# Allegro board poeicpt1_r1_2024_9_11_Afshari_Final.brd (continued)
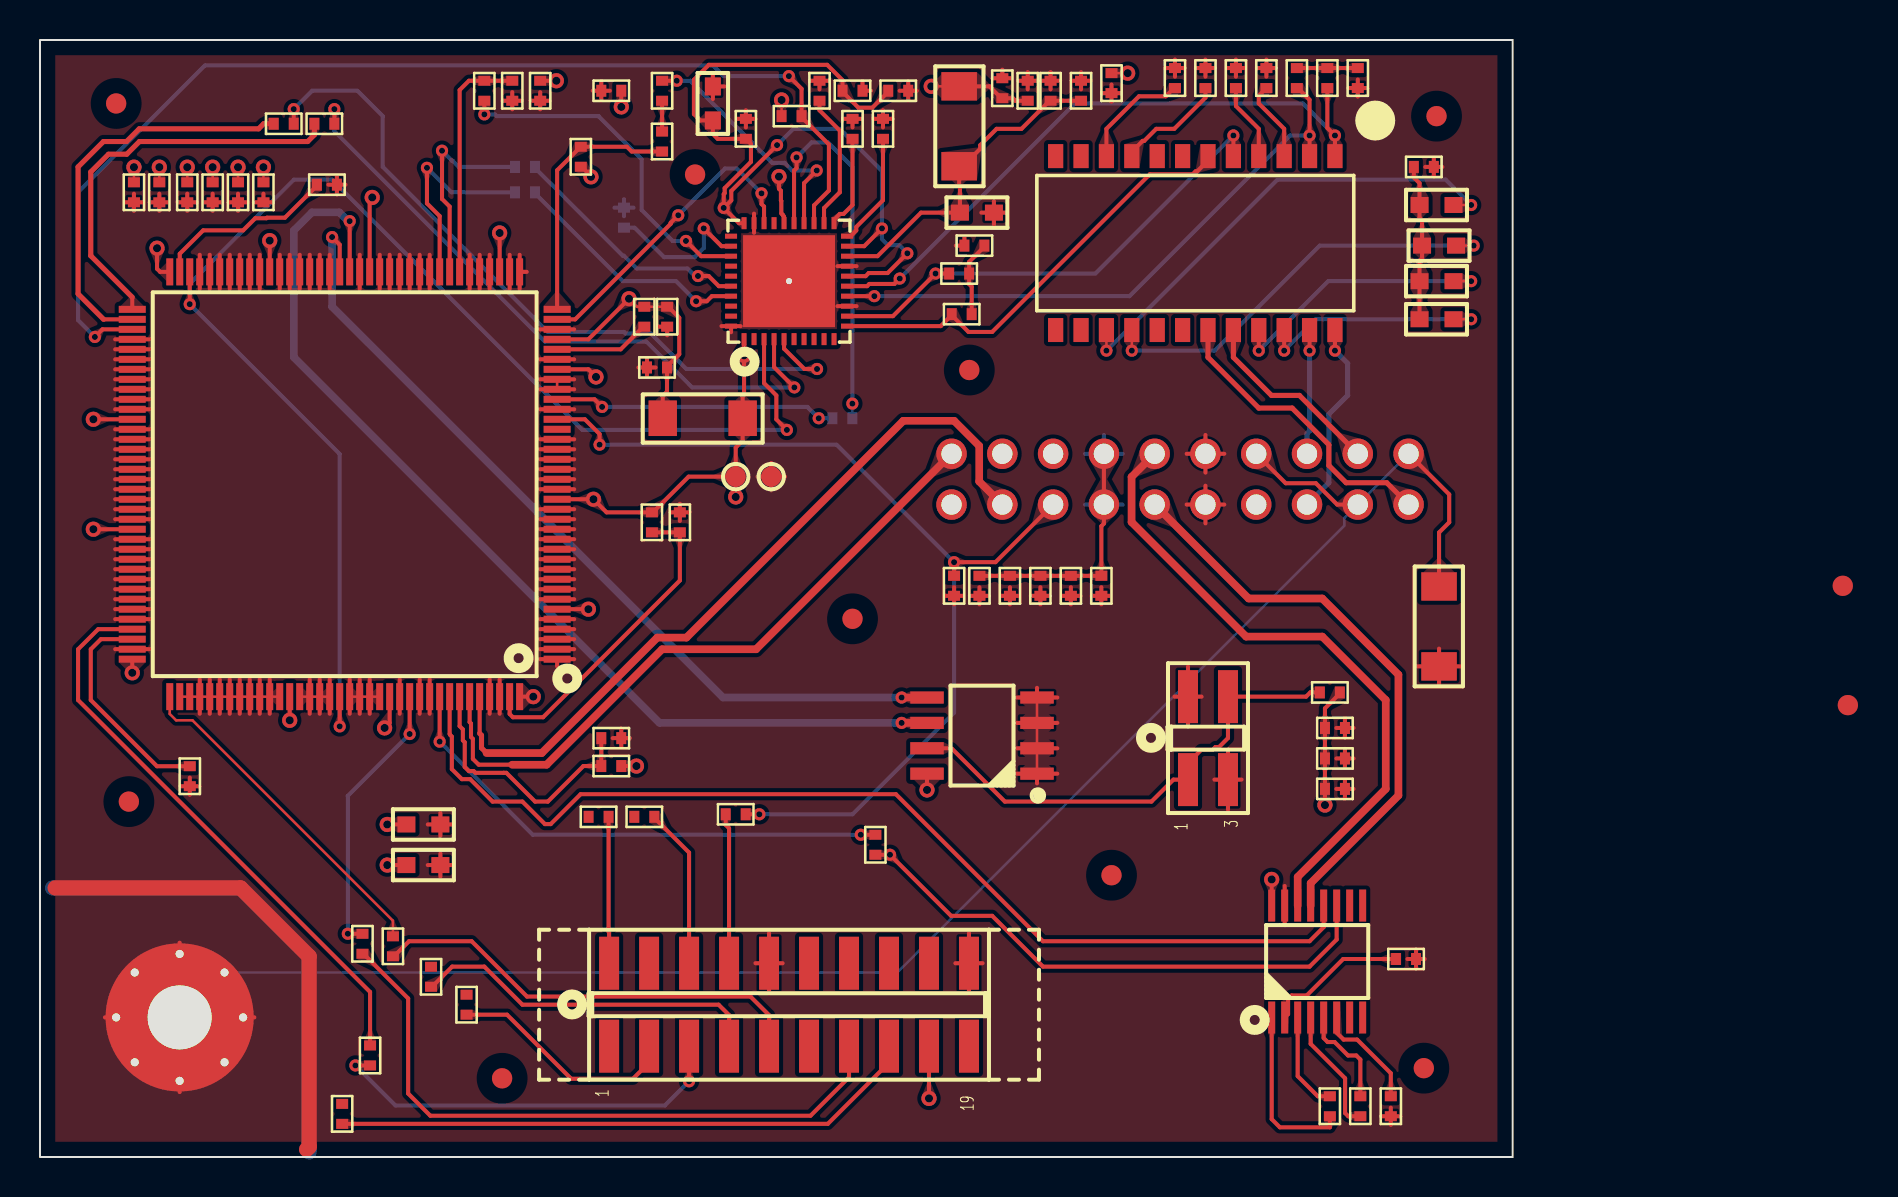
[diagram p0: board, top side]
## Nets (continued)
N51902: J3.9 R37.2
N51938: J3.15 R39.2
N52034: J3.6 R36.1
N52070: J3.2 R31.1
N52476: J3.7 R34.2
N53005: R26.1 U4.32
N53315: J3.13 R38.2
N58004: R19.1 U4.136
N58089: R22.1 R23.1 U4.138
N61081: J3.8 R35.1
N1419919: R12.1 U2.20

Pads without a net: CORNER_FID1 1; CORNER_FID2 1; CORNER_FID3 1; CORNER_FID4 1; CORNER_FID5 1; CORNER_FID6 1; FID3 1; FID5 1; FID7 1; FID10 1; FID11 1; J2 P2 P14; U2 2 6 7 8 9 10 27 31 34 35 38 39; U4 24; U5 7 8 11 12 13 14 17 18; U6 7 8 9 10

## Via types
v1: diameter 0.61, hole 0.305, TOP to BOTTOM, 58 vias
v2: diameter 0.762, hole 0.406, TOP to BOTTOM, 36 vias

## Routing (per net, layer and track width the routed paths; a pad name or vN(x,y) marks a point on that pad's centre or on a via; arc(x,y) is an arc through that point)
GND: length 311.5
  TOP w0.127: U4.127 U4.128 U4.129 U4.130 ; U1.1 U1.2 U1.4 ; U4.120 U4.119 U4.118 U4.117 U4.116 U4.115 U4.114 U4.113 U4.112 U4.111 U4.110 ; U4.29 U4.28 ; U4.122 U4.123 U4.124 U4.125
  TOP w0.203: C30.2 47.47,28.07 ; C30.2 46.99,27.65 ; C30.2 46.99,28.5 ; C30.2 46.51,28.07 ; 26.72,38.9 U4.29 25.01,38.9 ; 40.84,42.57 U2.13 39.89,42.57 ; B3.1 69.98,25.43 ; B3.1 71.04,24.54 ; B3.1 69.98,23.65 ; B3.1 68.91,24.54 ; 5.47,26.9 U4.104 3.76,26.9 ; 3.76,38.41 U4.81 5.47,38.41 ; 25.01,30.41 U4.12 26.72,30.41 ; 48.92,53.84 C44.2 ; C44.2 49.88,53.84 ; C44.2 49.4,54.27 ; C44.2 49.4,53.41 ; 14.49,43.43 U4.56 14.49,45.13 ; 10.49,22.18 U4.117 10.49,23.88 ; 7.99,43.43 U4.69 7.99,45.13 ; 23.62,52.41 R11.1 ; R11.1 23.62,53.27 ; R11.1 23.14,52.84 ; R11.1 24.1,52.84 ; 5.47,36.41 U4.85 3.76,36.41 ; 5.47,37.9 U4.82 3.76,37.9 ; 65.91,53.05 C10.1 ; C10.1 66.39,53.47 ; C10.1 65.91,53.9 ; C10.1 65.43,53.47 ; 25.01,33.41 U4.18 26.72,33.41 ; C1.2 25.5,52.84 ; C1.2 24.54,52.84 ; C1.2 25.02,53.27 ; C1.2 25.02,52.41 ; 26.72,28.9 U4.9 25.01,28.9 ; 17.99,45.13 U4.49 17.99,43.43 ; 5.47,34.41 U4.89 3.76,34.41 ; 53.12,53.22 C34.2 ; C34.2 53.59,53.65 ; C34.2 54.07,53.22 ; C34.2 53.59,52.79 ; 3.76,29.9 U4.98 5.47,29.9 ; 35.71,46.24 U2.29 35.71,47.19 ; 23.49,45.13 U4.38 23.49,43.43 ; 25.01,27.9 U4.7 26.72,27.9 ; 25.01,26.9 U4.5 26.72,26.9 ; R9.2 41.12,51.94 ; R9.2 40.16,51.94 ; R9.2 40.64,51.51 ; 58.29,35.18 58.29,36.12 ; 58.29,35.18 57.35,35.18 ; 58.29,35.18 59.23,35.18 ; 58.29,35.18 58.29,34.24 ; 5.47,30.9 U4.96 3.76,30.9 ; 11.99,43.43 U4.61 11.99,45.13 ; C32.2 50.04,28.5 ; C32.2 49.56,28.07 ; C32.2 50.04,27.65 ; C32.2 50.52,28.07 ; 25.01,34.41 U4.20 26.72,34.41 ; C9.2 47.71,47.82 ; C9.2 47.08,47.24 ; C9.2 48.34,47.24 ; C9.2 47.71,46.67 ; 16.49,23.88 U4.129 16.49,22.18 ; 5.47,32.41 U4.93 3.76,32.41 ; J1.2 58.1,23.03 ; J1.2 56.74,23.03 ; J1.2 57.42,21.53 ; J1.2 57.42,24.53 ; 5.47,33.9 U4.90 3.76,33.9 ; 5.47,33.41 U4.91 3.76,33.41 ; C5.2 20.03,17.22 ; C5.2 20.66,16.64 ; C5.2 19.4,16.64 ; C5.2 20.03,16.06 ; 25.01,24.9 U4.1 ; U4.1 25.87,24.55 ; U4.1 26.72,24.9 ; 48.04,28.07 C31.2 ; C31.2 48.99,28.07 ; C31.2 48.51,27.65 ; C31.2 48.51,28.5 ; 12.99,43.43 U4.59 12.99,45.13 ; R12.2 42.64,51.94 ; R12.2 42.16,52.36 ; R12.2 42.16,51.51 ; R12.2 41.69,51.94 ; 3.76,29.41 U4.99 5.47,29.41 ; 5.47,34.9 U4.88 3.76,34.9 ; 3.76,40.9 U4.76 5.47,40.9 ; 13.99,22.18 U4.124 13.99,23.88 ; 15.99,22.18 U4.128 15.99,23.88 ; 30.36,39.02 C23.2 ; C23.2 30.79,39.5 ; C23.2 30.36,39.98 ; C23.2 29.93,39.5 ; 5.47,39.41 U4.79 3.76,39.41 ; 64.84,19.94 C2.2 ; C2.2 65.7,19.94 ; C2.2 65.27,19.46 ; C2.2 65.27,20.42 ; 9.49,23.88 U4.115 9.49,22.18 ; R25.2 32,32.68 ; R25.2 32.48,32.25 ; R25.2 31.53,32.25 ; R25.2 32,31.82 ; C3.2 53.56,28.07 ; C3.2 53.09,27.65 ; C3.2 52.61,28.07 ; C3.2 53.09,28.5 ; 13.49,45.13 U4.58 13.49,43.43 ; 5.47,27.41 U4.103 3.76,27.41 ; 3.76,25.41 U4.107 5.47,25.41 ; J1.3 60.1,18.88 ; J1.3 58.74,18.88 ; J1.3 59.42,20.38 ; J1.3 59.42,17.38 ; 12.49,45.13 U4.60 12.49,43.43 ; 17.49,45.13 U4.50 17.49,43.43 ; 60.86,54.48 C35.2 ; C35.2 61.34,54.05 ; C35.2 61.82,54.48 ; C35.2 61.34,54.9 ; 22.49,43.43 U4.40 22.49,45.13 ; 7.99,23.88 U4.112 7.99,22.18 ; 3.76,40.41 U4.77 5.47,40.41 ; C25.2 10.38,47.76 ; C25.2 9.91,47.33 ; C25.2 9.91,48.19 ; C25.2 9.43,47.76 ; 3.76,32.9 U4.92 5.47,32.9 ; C28.2 7.84,47.76 ; C28.2 7.37,47.33 ; C28.2 7.37,48.19 ; C28.2 6.89,47.76 ; 46.46,8.19 J3.20 ; J3.20 47.14,9.69 ; J3.20 46.46,11.2 ; J3.20 45.79,9.69 ; C18.2 28.07,53.82 ; C18.2 28.07,52.86 ; C18.2 27.65,53.34 ; C18.2 28.5,53.34 ; 14.49,23.88 U4.125 14.49,22.18 ; 21.99,43.43 U4.41 21.99,45.13 ; 39.89,44.57 U2.17 40.84,44.57 ; 69.72,49.05 C39.2 ; C39.2 70.14,49.53 ; C39.2 69.29,49.53 ; C39.2 69.72,50.01 ; 5.47,35.41 U4.87 3.76,35.41 ; 67.09,2.04 C41.2 ; C41.2 67.56,1.61 ; C41.2 67.56,2.47 ; C41.2 68.04,2.04 ; 35.31,51.51 C15.2 ; C15.2 34.83,51.94 ; C15.2 35.78,51.94 ; C15.2 35.31,52.36 ; C17.2 65.7,21.46 ; C17.2 64.84,21.46 ; C17.2 65.27,20.98 ; C17.2 65.27,21.94 ; 3.76,35.9 U4.86 5.47,35.9 ; 8.49,45.13 U4.68 8.49,43.43 ; 21.49,43.43 U4.42 21.49,45.13 ; 18.99,22.18 U4.134 18.99,23.88 ; C19.2 65.7,18.41 ; C19.2 64.84,18.41 ; C19.2 65.27,18.89 ; C19.2 65.27,17.94 ; 15.99,45.13 U4.53 15.99,43.43 ; 16.99,43.43 U4.51 16.99,45.13 ; 18.49,43.43 U4.48 18.49,45.13 ; 10.49,43.43 U4.64 10.49,45.13 ; 5.47,28.41 U4.101 3.76,28.41 ; C38.2 57.25,54.48 ; C38.2 56.29,54.48 ; C38.2 56.77,54.9 ; C38.2 56.77,54.05 ; 22.99,23.88 U4.142 22.99,22.18 ; R23.2 29.5,20.95 ; R23.2 29.08,20.48 ; R23.2 28.65,20.95 ; R23.2 29.08,21.43 ; C36.2 59.82,54.9 ; C36.2 59.34,54.48 ; C36.2 59.82,54.05 ; C36.2 60.3,54.48 ; 25.01,30.9 U4.13 26.72,30.9 ; 13.99,45.13 U4.57 13.99,43.43 ; 51.59,53.84 C7.2 ; C7.2 52.07,54.27 ; C7.2 52.55,53.84 ; C7.2 52.07,53.41 ; 58.29,32.64 58.29,33.58 ; 58.29,32.64 58.29,31.7 ; 58.29,32.64 59.23,32.64 ; 58.29,32.64 57.35,32.64 ; 10.99,22.18 U4.118 10.99,23.88 ; 50.88,21.72 48.85,21.72 ; C24.2 9.11,47.76 ; C24.2 8.16,47.76 ; C24.2 8.64,47.33 ; C24.2 8.64,48.19 ; 26.72,25.41 U4.2 25.01,25.41 ; 43,53.34 C12.2 ; C12.2 43.43,53.82 ; C12.2 43.85,53.34 ; C12.2 43.43,52.86 ; 10.99,45.13 U4.63 10.99,43.43 ; C33.2 51.56,28.5 ; C33.2 51.56,27.65 ; C33.2 52.04,28.07 ; C33.2 51.08,28.07 ; 23.99,43.43 U4.37 ; U4.37 24.34,44.28 ; U4.37 23.99,45.13 ; J3.10 37.14,9.69 ; J3.10 36.47,8.19 ; J3.10 36.47,11.2 ; J3.10 35.79,9.69 ; 26.72,35.9 U4.23 25.01,35.9 ; 25.01,29.9 U4.11 26.72,29.9 ; 5.47,39.9 U4.78 3.76,39.9 ; 7.01,18.55 C21.2 ; C21.2 7.97,18.55 ; C21.2 7.49,18.98 ; C21.2 7.49,18.12 ; 10.7,47.76 C26.2 ; C26.2 11.65,47.76 ; C26.2 11.18,48.19 ; C8.2 50.55,54.27 ; C8.2 50.07,53.84 ; C8.2 50.55,53.41 ; C8.2 51.02,53.84 ; 3.76,30.41 U4.97 5.47,30.41 ; 11.49,23.88 U4.119 11.49,22.18 ; 49.87,18.69 U1.1 ; U1.1 48.85,19.18 ; U1.1 50.88,19.18 ; 34.09,41.57 U2.40 ; U2.40 35.04,41.57 ; U2.40 34.57,41.26 ; 26.72,39.9 U4.31 25.01,39.9 ; 5.47,28.9 U4.100 3.76,28.9 ; C37.2 58.77,54.48 ; C37.2 57.81,54.48 ; C37.2 58.29,54.9 ; C37.2 58.29,54.05 ; C27.2 5.18,47.76 ; C27.2 4.7,48.19 ; C27.2 4.7,47.33 ; C27.2 4.22,47.76 ; 41.57,53.34 C14.2 41.14,53.82 ; 26.72,34.9 U4.21 25.01,34.9 ; 8.49,22.18 U4.113 8.49,23.88 ; 33.66,52.93 C13.2 ; C13.2 34.23,53.55 ; C13.2 33.66,54.18 ; 30.89,41.54 C22.2 31.37,41.11 ; 26.72,35.41 U4.22 25.01,35.41 ; 35.89,34.04 TP2.1 ; TP2.1 36.58,34.72 ; TP2.1 37.26,34.04 ; TP2.1 36.58,33.35 ; 46.24,46.07 C11.1 45.81,45.59 ; 38.51,53.84 R8.2 ; R8.2 39.47,53.84 ; R8.2 38.99,53.41 ; 8.99,22.18 U4.114 8.99,23.88 ; 5.47,27.9 U4.102 3.76,27.9 ; 19.49,45.13 U4.46 19.49,43.43 ; 25.01,33.9 U4.19 26.72,33.9 ; 19.49,22.18 U4.135 19.49,23.88 ; 5.47,38.9 U4.80 3.76,38.9 ; 25.01,29.41 U4.10 26.72,29.41 ; C29.2 6.45,47.76 ; C29.2 5.97,48.19 ; C29.2 5.97,47.33 ; C29.2 5.49,47.76 ; 8.99,45.13 U4.67 8.99,43.43 ; 14.42,48.64 C20.2 ; C20.2 14.85,48.16 ; C20.2 14.85,49.12 ; C20.2 15.28,48.64 ; 9.99,23.88 U4.116 9.99,22.18 ; 45.72,27.65 C16.1 ; C16.1 45.24,28.07 ; C16.1 46.2,28.07 ; C16.1 45.72,28.5 ; 25.01,32.41 U4.16 26.72,32.41 ; 26.72,38.41 U4.28 25.01,38.41 ; 26.72,25.9 U4.3 25.01,25.9 ; 62.26,13.56 U6.15 62.26,11.6 ; 25.01,37.41 U4.26 26.72,37.41 ; 19.4,14.61 C6.2 ; C6.2 20.03,15.18 ; C6.2 20.66,14.61 ; C6.2 20.03,14.03 ; C40.2 68.83,10.38 ; C40.2 69.25,9.91 ; C40.2 68.83,9.43 ; C40.2 68.4,9.91 ; 5.47,37.41 U4.83 3.76,37.41 ; 9.99,45.13 U4.65 9.99,43.43 ; 26.72,31.9 U4.15 25.01,31.9 ; 48.85,22.99 U1.4 ; U1.4 50.88,22.99 ; U1.4 49.87,23.47 ; 25.01,26.41 U4.4 26.72,26.41 ; 47.65,53.97 C4.2 ; C4.2 48.61,53.97 ; C4.2 48.13,54.4 ; 9.49,45.13 U4.66 9.49,43.43 ; 13.49,23.88 U4.123 13.49,22.18 ; 22.49,22.18 U4.141 22.49,23.88 ; 48.85,20.45 U1.2 50.88,20.45 ; 17.99,23.88 U4.132 17.99,22.18 ; 18.99,45.13 U4.47 18.99,43.43 ; 25.01,28.41 U4.8 26.72,28.41 ; 26.72,41.41 U4.34 25.01,41.41 ; 25.01,31.41 U4.14 26.72,31.41 ; 15.49,23.88 U4.127 15.49,22.18 ; 5.47,31.9 U4.94 3.76,31.9
GND_EARTH: length 136
  TOP w0.203: SC1.8 10.72,6.99 ; SC1.8 9.6,6.99 ; SC1.8 10.16,6.43 ; SC1.8 10.16,7.54 ; SC1.5 4.74,5.3 ; SC1.5 4.18,4.74 ; SC1.5 5.3,4.74 ; SC1.5 4.74,4.18 ; 6.99,3.25 SC1.6 ; SC1.6 6.99,4.37 ; SC1.6 6.43,3.81 ; SC1.6 7.54,3.81 ; 6.43,10.16 SC1.2 ; SC1.2 7.54,10.16 ; SC1.2 6.99,10.72 ; SC1.2 6.99,9.6 ; SC1.7 9.23,5.3 ; SC1.7 8.67,4.74 ; SC1.7 9.79,4.74 ; SC1.7 9.23,4.18 ; SC1.9 9.23,9.79 ; SC1.9 9.23,8.67 ; SC1.9 8.67,9.23 ; SC1.9 9.79,9.23 ; 4.74,8.67 SC1.3 ; SC1.3 4.18,9.23 ; SC1.3 4.74,9.79 ; SC1.3 5.3,9.23 ; 3.25,6.99 SC1.4 ; SC1.4 4.37,6.99 ; SC1.4 3.81,7.54 ; SC1.4 3.81,6.43 ; B3.2 69.98,31.24 70.48,31.75 70.48,33.15 J2.P19 ; 60.83,35.18 62.31,33.71 63.81,33.71 64.88,32.64 65.91,32.64 ; SC1.1 9.08,6.99 ; SC1.1 4.89,6.99 ; SC1.1 6.99,4.89 ; SC1.1 6.99,9.08
  BOTTOM w0.127: J2.P19 65.24,31.97 65.24,31.58 42.89,9.23 SC1.9
  BOTTOM w0.203: 9.23,8.67 SC1.9 ; SC1.9 9.23,9.79 ; SC1.9 8.67,9.23 ; 6.99,9.6 SC1.2 ; SC1.2 7.54,10.16 ; SC1.2 6.99,10.72 ; SC1.2 6.43,10.16 ; 3.25,6.99 SC1.4 ; SC1.4 4.37,6.99 ; SC1.4 3.81,6.43 ; SC1.4 3.81,7.54 ; 9.6,6.99 SC1.8 ; SC1.8 10.16,7.54 ; SC1.8 10.16,6.43 ; SC1.8 10.72,6.99 ; SC1.7 9.23,5.3 ; SC1.7 8.67,4.74 ; SC1.7 9.79,4.74 ; SC1.7 9.23,4.18 ; SC1.3 5.3,9.23 ; SC1.3 4.74,9.79 ; SC1.3 4.18,9.23 ; SC1.3 4.74,8.67 ; SC1.5 4.74,5.3 ; SC1.5 4.74,4.18 ; SC1.5 4.18,4.74 ; SC1.5 5.3,4.74 ; 6.43,3.81 SC1.6 ; SC1.6 6.99,3.25 ; SC1.6 6.99,4.37 ; SC1.6 7.54,3.81 ; SC1.1 6.99,9.08 ; SC1.1 6.99,4.89 ; SC1.1 9.08,6.99 ; SC1.1 4.89,6.99
VCCA_3.3V_PHY: length 16.4
  TOP w0.203: U2.18 41.89,45.06 44.07,47.24 C9.1 46.01,48.58 45.97,48.62 B1.2 46.15,49.56 47.02,50.44 47.02,50.61 47.85,51.44 49.09,51.44 50.5,52.84 C8.1 C7.1
VCCD_3.3V: length 89.8
  TOP w0.127: C28.1 v2(7.37,49.52) ; R2.2 v2(37.09,52.88) ; C26.1 v2(11.18,49.52) ; C27.1 v2(4.7,49.52) ; C29.1 v2(5.97,49.52) ; v2(44.58,53.56) B1.1 ; 16.49,47.88 v2(16.62,48) ; C34.1 v2(54.4,54.22) ; C24.1 v2(8.64,49.52) ; C25.1 v2(9.91,49.52)
  TOP w0.203: U4.30 27.43,39.41 v2(27.81,39.02) ; v2(24.67,23.03) U4.144 ; v2(64.27,17.61) C19.1 C2.1 C17.1 64.27,22.44 65.02,23.19 R1.2 ; J2.P7 53.21,31.69 53.09,31.56 C3.1 C33.1 C32.1 C31.1 C30.1 ; U4.95 v2(2.67,31.41) ; U4.6 v2(27.43,27.41) ; v2(61.61,13.89) U6.16 ; v2(25.83,53.84) C1.1 ; U4.39 v2(22.99,46.22) ; U4.131 17.49,21.72 v2(17.24,21.47) ; U4.72 6.01,44.28 5.85,44.44 v2(5.85,45.46) ; U4.121 v2(12.49,21.85) ; U4.17 v2(27.68,32.9) 28.34,32.25 R24.2 30.66,32.25 32.44,34.04 TP1.1 ; v2(17.37,14.61) C6.1 ; TP1.1 34.8,35.49 35.15,35.84 B2.1 35.15,38.07 35.22,38.14 v2(35.22,40.11) U2.1 ; TP1.1 v2(34.8,33.02) ; R22.2 v2(29.83,19.56) ; U1.8 v2(44.37,18.36) ; U4.62 v2(11.49,45.84) ; C44.1 48.79,52.84 48.66,52.97 C4.1 48.08,52.97 47.49,53.56 B1.1 ; v2(27.56,49.03) 27.56,49.08 27.1,49.54 R17.2 ; U4.84 v2(2.67,36.9) ; v2(17.37,16.64) C5.1 ; U4.52 16.49,47.88 ; v2(44.46,2.93) J3.17 ; U2.26 37.22,47.03 37.18,47.09 37.14,47.12 37.14,47.14 37.08,47.21 37.08,47.83 37.06,47.85 37.06,48.34 36.96,48.44 v2(36.96,49.05) ; U4.108 v2(4.61,24.22) ; v2(29.08,52.53) C18.1
  BOTTOM w0.203: 52.27,32.64 53.21,32.64 ; 53.21,32.64 53.21,31.7 ; 53.21,32.64 54.15,32.64 ; 53.21,32.64 53.21,33.58 ; R10.2 29.21,47.92 ; R10.2 29.21,47.06 ; R10.2 29.69,47.49 ; R10.2 28.73,47.49 ; 53.21,34.24 J2.P7 ; J2.P7 52.27,35.18 ; J2.P7 53.21,36.12 ; J2.P7 54.15,35.18
VDDA_3.3V: length 12.7
  TOP w0.127: v2(29.46,42.94) 29.86,42.54 R26.2 C22.1
  TOP w0.203: B2.2 31.15,38.07 31.36,38.29 C23.1 31.36,39.55 31.97,40.16 31.97,41.98 31.42,42.54 C22.1 ; v2(29.46,42.94) 27.43,40.9 U4.33
BP_TDO_SWO: length 13.9
  TOP w0.203: U4.133 v1(18.49,21.16) ; R38.1 v1(15.4,11.17)
  BOTTOM w0.203: v1(18.49,21.16) 15.4,18.07 v1(15.4,11.17)
C45P: length 7.8
  TOP w0.203: C39.1 68.71,49 69,48.72 R30.1 69,47 69.13,46.87 R29.1 69.13,44.96 69,44.84 R28.1 R27.1
C51_N: length 5
  TOP w0.203: C42.2 63.91,3.04 62.91,4.05 U6.3
C51_P: length 8.7
  TOP w0.203: C42.1 64.52,1.49 62.02,1.49 61.61,1.89 U6.1
C52_N: length 5.1
  TOP w0.203: U6.5 64.21,5.95 64.4,5.75 64.75,5.75 65.42,5.08 65.84,5.08 66.04,4.88 C43.2
C52_P: length 6.3
  TOP w0.203: C43.1 65.44,2.04 65.28,2.2 65.28,3.94 63.56,5.66 U6.4
C53_P: length 7.2
  TOP w0.203: U6.2 62.43,7.15 62.43,7.91 62.6,8.08 63.36,8.08 65.18,9.91 C40.1
C54_P: length 5.5
  TOP w0.203: C41.1 67.56,4.19 65.88,5.87 65.2,5.87 64.86,6.22 U6.6
EEPROM_SCL: length 51.5
  TOP w0.203: U4.54 v1(15.49,46.82)
  TOP w0.381: 44.37,21.72 v1(43.1,21.72)
  BOTTOM w0.381: v1(15.49,46.82) 15.41,46.82 14.97,47.26 13.6,47.26 12.7,46.35 12.7,40.01 30.99,21.72 v1(43.1,21.72)
EEPROM_SDA: length 43.2
  TOP w0.203: v1(14.61,46.02) 14.99,45.64 U4.55
  TOP w0.381: U1.5 v1(43.1,22.99)
  BOTTOM w0.381: v1(14.61,46.02) 14.61,42.54 34.16,22.99 v1(43.1,22.99)
EEPROM_WP: length 24.7
  TOP w0.203: R1.1 63.54,23.24 63.33,23.03 J1.4 59.42,20.96 58.97,20.51 58.79,20.51 58.65,20.37 58.08,20.37 57.42,19.71 J1.1 56.69,18.88 55.59,17.78 48.26,17.78 45.59,20.45 U1.7
MCU_RESET: length 50
  TOP w0.203: C16.2 v1(45.72,29.76) 47.79,29.76 50.67,32.64 ; v1(27.99,35.63) 27.99,36.17 27.25,36.9 U4.25 ; R35.2 v1(35.98,17.14)
  BOTTOM w0.203: v1(35.98,17.14) 40.64,17.14 45.72,22.23 v1(45.72,29.76) 39.84,35.63 v1(27.99,35.63)
MCU_UART_RX: length 53.4
  TOP w0.203: U6.12 64.21,11.5 63.5,10.79 50.16,10.79 42.81,18.15 27.04,18.15 25.54,16.65 25.26,16.65 24.13,17.78 22.64,17.78 21.52,18.9 21.1,18.9 20.6,19.41 20.6,21.03 20.51,21.13 20.49,21.17 U4.137
MCU_UART_TX: length 27.7
  TOP w0.203: U6.11 64.86,10.88 63.5,9.53 50.16,9.53 47.62,12.06 45.57,12.06 v1(42.51,15.12) R19.2
MICRO_TCK_SWDCLK: length 17.1
  TOP w0.127: U4.109 6.49,22.16 6.81,21.85 7.63,21.85 17.65,11.82 R37.1
MICRO_TMS_SWDIO: length 29
  TOP w0.203: R33.1 16.51,8.26 1.91,22.86 1.91,25.4 2.91,26.41 U4.105
NPI_RD_N1: length 22.5
  TOP w0.203: 45.6,42.11 46.44,41.27 47.62,41.27 55.52,49.17 57.66,49.17 57.8,49.31 57.88,49.31 58.42,49.85 U5.6 ; 45.6,42.11 R7.1 ; 45.6,42.11 45.05,41.57 U2.11
NPI_RD_P1: length 24.8
  TOP w0.203: v1(59.69,51.1) U5.5 ; R6.1 v1(44.79,44.2) 42.66,42.06 U2.12
  BOTTOM w0.203: v1(59.69,51.1) 52.78,44.2 v1(44.79,44.2)
NPI_TD_N1: length 30.2
  TOP w0.203: R4.1 62.91,53.47 63.5,52.89 v1(63.5,51.1) U5.2 ; U2.14 v1(41.73,43.06)
  BOTTOM w0.203: v1(63.5,51.1) 62.53,51.1 54.49,43.06 v1(41.73,43.06)
NPI_TD_P1: length 32.4
  TOP w0.203: U2.15 41.37,43.57 41.48,43.67 42.73,43.67 v1(43,43.95) ; R5.1 64.39,51.48 v1(64.77,51.1) U5.1
  BOTTOM w0.203: v1(43,43.95) 51.76,52.7 63.17,52.7 v1(64.77,51.1)
NPI_TX_N1: length 6.2
  TOP w0.203: U5.23 v1(63.5,40.34)
  BOTTOM w0.254: v1(63.5,40.34) 63.5,36.32 63.37,36.2 63.37,35.18
NPI_TX_N2: length 15.1
  TOP w0.254: U5.19 58.42,40.01 60.96,37.47 62.63,37.47 64.47,35.63 64.47,34.59 65.33,33.73 67.36,33.73 68.45,32.64
NPI_TX_P1: length 9.8
  TOP w0.203: U5.24 v1(64.77,40.34)
  BOTTOM w0.254: v1(64.77,40.34) 65.41,39.7 65.41,38.1 64.47,37.16 64.47,33.73 63.37,32.64
NPI_TX_P2: length 9.6
  TOP w0.254: 65.91,35.18 62.99,38.1 61.59,38.1 59.69,40.01 U5.20
PDR_ON: length 16.1
  TOP w0.203: U4.143 23.49,22.16 23.65,22 25.16,22 32,28.84 R25.1 R24.1
PHY_MDC: length 19.5
  TOP w0.203: v1(37.84,50) 37.84,49.47 37.71,49.34 U2.25
  BOTTOM w0.127: R18.2 v1(40.63,37.69)
  BOTTOM w0.203: v1(40.63,37.69) 40.63,49.54 39.41,50.76 38.59,50.76 v1(37.84,50)
PHY_MDIO: length 1.5
  TOP w0.203: R16.2 R3.1
PHY_RESET_B: length 56.5
  TOP w0.203: v1(37.46,54.07) 38.09,53.44 R2.1 38.09,52.02 39.46,50.65 39.46,48.35 38.71,47.6 U2.23 ; v1(2.75,41.02) 3.13,41.41 U4.75
  BOTTOM w0.203: v1(2.75,41.02) 1.91,41.87 1.91,48.26 8.26,54.61 33.66,54.61 34.19,54.07 v1(37.46,54.07)
POE_I2C_SCL: length 33.7
  TOP w0.203: U4.139 21.49,21.76 21.56,21.69 21.56,21.01 21.65,20.92 21.65,19.92 21.94,19.63 23.62,19.63
  TOP w0.381: J2.P1 35.81,25.4 31.11,25.4 25.34,19.63 23.62,19.63
POE_I2C_SDA: length 38.4
  TOP w0.203: 21.99,21.19 U4.140
  TOP w0.254: 21.99,21.19 22.08,21.1 22.08,20.46 22.34,20.21
  TOP w0.381: 48.13,32.64 46.98,33.79 46.98,35.57 45.72,36.83 43.18,36.83 32.33,25.98 30.87,25.98 25.1,20.21 22.34,20.21
RMII_CRS_DV: length 11.9
  TOP w0.203: R11.2 R13.1 21.45,53.84 20.99,53.38 U4.43
RMII_REFCLK_50MHZ_PHY: length 15.4
  TOP w0.203: v1(31.92,47.11) 31.54,46.73 31.54,46.68 26.77,41.9 U4.35 ; U2.28 36.22,47.55 36.09,47.68 v1(36.09,48.21)
  BOTTOM w0.203: v1(36.09,48.21) 34.85,49.45 34.26,49.45 v1(31.92,47.11)
RS_UART_RX: length 32.4
  TOP w0.381: J2.P9 54.6,34.02 54.6,31.76 60.33,26.04 64.14,26.04 67.31,22.86 67.31,18.41 62.91,14.01 U6.14
RS_UART_TX: length 29.1
  TOP w0.381: U6.13 63.56,13.7 67.94,18.09 67.94,24.13 64.14,27.94 60.45,27.94 55.75,32.64
RXD0: length 10.2
  TOP w0.203: U4.44 20.49,47.55 20.11,47.93 v1(20.11,50.34)
  BOTTOM w0.203: R14.1 20.94,49.53 20.64,49.83 20.62,49.83 v1(20.11,50.34)
RXD1: length 10.4
  TOP w0.203: U4.45 19.99,47.07 19.36,47.71 v1(19.36,49.48)
  BOTTOM w0.203: R15.1 20.58,48.26 v1(19.36,49.48)
TDCT1: length 4.1
  TOP w0.203: C35.1 60.96,53.09 60.96,52.7 62.23,51.44 U5.3
TDCT2: length 3.9
  TOP w0.203: U5.4 60.96,51.44 59.82,52.58 C36.1
TDCT3: length 5.5
  TOP w0.203: C37.1 58.29,53 56.73,51.44 55.83,51.44 55.23,50.83 55.15,50.83 54.61,50.29 U5.9
TDCT4: length 5.6
  TOP w0.203: C38.1 56.72,53.47 56.31,53.06 54.97,53.06 53.34,51.44 U5.10
TX_EN: length 70.6
  TOP w0.203: U4.70 v1(7.49,42.67) ; U4.126 v1(14.99,21.54) ; v1(37.36,36.37) 36.83,36.9 36.83,38.1 36.22,38.72 U2.3
  BOTTOM w0.203: v1(14.99,21.54) 14.99,35.17 v1(7.49,42.67) 7.49,43.68 12.7,48.9 14.61,48.9 27.13,36.37 v1(37.36,36.37)
TXCT1: length 11.9
  TOP w0.127: R27.2 v1(71.58,41.91)
  TOP w0.203: U5.22 v1(62.23,40.34)
  BOTTOM w0.203: v1(71.58,41.91) 63.8,41.91 v1(62.23,40.34)
TXCT2: length 14
  TOP w0.127: R28.2 v1(71.58,43.81)
  TOP w0.203: U5.21 v1(60.96,40.34)
  BOTTOM w0.203: v1(71.58,43.81) 64.44,43.81 v1(60.96,40.34)
TXCT3: length 21.2
  TOP w0.127: R29.2 v1(71.71,45.59) ; U5.16 v1(54.61,40.34)
  BOTTOM w0.203: v1(71.71,45.59) 64.01,45.59 58.75,40.34 v1(54.61,40.34)
TXCT4: length 24.2
  TOP w0.127: U5.15 v1(53.34,40.34) ; R30.2 v1(71.58,47.62)
  BOTTOM w0.203: v1(53.34,40.34) 61.9,48.9 70.31,48.9 v1(71.58,47.62)
TXD0: length 33
  TOP w0.203: R20.2 v1(14.72,52.42) ; v1(37.73,38.5) 36.71,39.52 U2.4
  BOTTOM w0.203: v1(14.72,52.42) 14.72,51.32 25.25,40.79 30.33,40.79 32.62,38.5 v1(37.73,38.5)
TXD1: length 37.1
  TOP w0.203: U2.5 37.22,40.44 38.23,39.42 v1(38.87,39.42) ; R21.2 v1(12.69,52.42)
  BOTTOM w0.203: v1(12.69,52.42) 13.61,53.34 15.88,53.34 17.14,52.07 17.14,49.53 25.4,41.27 29.21,41.27 29.29,41.2 30.56,41.2 32.33,39.42 v1(38.87,39.42)
VCAP_1: length 9.2
  TOP w0.203: U4.71 6.99,45.18 8.16,46.35 10.16,46.35 10.77,46.96 11.33,46.96 11.36,46.99 12.25,46.99 13.85,48.59 C20.1
VCAP_2: length 11.1
  TOP w0.203: U4.106 3.04,25.9 2.54,25.4 2.54,22.86 5.85,19.55 C21.1
N15355: length 12.5
  TOP w0.203: v1(31.85,53.84) R3.2 ; v1(38.85,49.35) 38.22,48.72 U2.24
  BOTTOM w0.203: v1(31.85,53.84) 32.52,53.84 36.63,49.73 37.25,49.73 37.63,49.35 v1(38.85,49.35)
N15771: length 7.5
  TOP w0.203: v1(33.2,46.45) 34.09,45.57 U2.32
  BOTTOM w0.203: v1(33.2,46.45) 33.2,45.47 32.75,45.01 31.21,45.01 29.74,46.49 R10.1
N16088: length 12.3
  TOP w0.203: v1(32.91,44.07) 33.44,44.07 33.95,43.57 U2.36
  BOTTOM w0.203: v1(32.91,44.07) 32.76,44.07 32.38,44.45 29.84,44.45 29.21,45.09 29.15,45.09 24.76,49.48 R14.2
N16132: length 12.2
  TOP w0.203: v1(32.82,42.81) 33.35,42.81 33.6,43.06 U2.37
  BOTTOM w0.203: R15.2 24.76,48.21 29.15,43.81 31.81,43.81 v1(32.82,42.81)
N16768: length 17.4
  TOP w0.203: v1(32.31,45.83) 33.07,45.06 U2.33 ; R13.2 v1(22.23,52.16)
  BOTTOM w0.203: v1(32.31,45.83) 31.64,45.83 30.09,47.38 30.09,49.92 27.94,52.07 22.85,52.07 22.76,52.16 v1(22.23,52.16)
N17548: length 43.6
  TOP w0.203: C12.1 42.43,53.29 41.63,52.49 40.94,52.49 40.14,53.29 C14.1 40.14,53.87 39.37,54.64 33.46,54.64 32.71,53.89 32.71,52.17 33.03,51.86 C13.1 33.66,51.18 33.9,50.93 C15.1 35.56,50.68 35.56,49.78 34.25,48.47 34.25,48.22 34.2,48.17 v1(34.2,47.48) ; v1(43.38,45.21) 42.4,44.22 41.45,44.22 41.29,44.06 U2.16 ; v1(34.2,47.48) 34.96,46.71 U2.30 ; v1(34.2,47.48) 34.58,47.86 34.58,48.33 v1(36.87,50.62) ; U2.19 41.22,45.57 v1(42.11,46.45)
  BOTTOM w0.203: v1(43.38,45.21) 42.98,45.61 42.42,45.61 42.11,45.92 v1(42.11,46.45) 42.11,49.33 40.01,51.44 37.68,51.44 v1(36.87,50.62)
N27850: length 20.3
  TOP w0.203: U4.74 3.18,41.9
  TOP w0.254: 3.18,41.9 1.91,43.18 1.91,49.53 3.17,50.8 4.33,50.8 4.96,51.44 10.93,51.44 11.19,51.69 R21.1
N27854: length 20.2
  TOP w0.203: U4.73 4.61,43.01
  TOP w0.254: 4.61,43.01 2.54,45.09 2.54,49.28 3.43,50.16 4.34,50.16 4.98,50.8 13.39,50.8 13.72,51.14 R20.1
N38580: length 12.8
  TOP w0.203: U4.36 25.87,49.36 27.04,50.54 R17.1 29.36,50.54 29.6,50.3 R16.1
N39559: length 14.2
  TOP w0.203: v1(28.11,37.52) 27.73,37.9 U4.27
  BOTTOM w0.203: R18.1 v1(38.95,36.96) 38.38,37.52 v1(28.11,37.52)
N40877: length 3.8
  TOP w0.203: C11.2 47.24,45.54 46.47,44.78 R6.2 46.47,43.67 46.6,43.54 R7.2
N41615: length 3
  TOP w0.203: R4.2 R5.2 C10.2
N48379: length 4.7
  TOP w0.203: U2.21 39.71,46.89 40,47.18 40.19,47.18 40.64,47.62 R9.1
N48383: length 6.9
  TOP w0.203: U2.22 39.22,47.47 40.01,48.26 40.01,51.35 38.99,52.36 R8.1
N51866: length 11.6
  TOP w0.203: J3.3 30.47,4.72 29.66,3.92 26.56,3.92 23.36,7.12 R32.2
N51878: length 20.5
  TOP w0.203: R33.2 v1(15.78,4.58) ; J3.5 v1(32.47,3.79)
  BOTTOM w0.203: v1(15.78,4.58) 17.78,2.58 31.25,2.58 v1(32.47,3.79)
N51902: length 22.2
  TOP w0.203: J3.9 36.47,7.1 35.54,8.03 24.36,8.03 21.59,10.79 18.46,10.79 17.7,10.04 R37.2
N51938: length 29.4
  TOP w0.203: R39.2 39.4,1.66 42.46,4.72 J3.15
N52034: length 8
  TOP w0.203: J3.6 32.47,15.23 30.73,16.97 R36.1
N52070: length 7.3
  TOP w0.203: R31.1 28.44,11.27 28.47,11.25 J3.2
N52476: length 17.9
  TOP w0.203: J3.7 34.47,7.1 33.94,7.62 24.13,7.62 22.23,9.53 20.62,9.53 19.61,8.52 R34.2
N53005: length 4.8
  TOP w0.203: R26.1 30.18,41.54 29.04,40.41 U4.32
N53315: length 32.8
  TOP w0.203: R38.2 16.18,10.17 18.41,7.93 18.41,3.17 19.52,2.07 38.54,2.07 40.46,3.99 J3.13
N58004: length 26
  TOP w0.203: R19.1 v1(41.05,16.12) ; U4.136 v1(19.99,20.78)
  BOTTOM w0.203: v1(19.99,20.78) 24.65,16.12 v1(41.05,16.12)
N58089: length 13.3
  TOP w0.203: U4.138 20.99,21.55 21.15,21.39 21.15,20.84 21.25,20.75 21.25,19.51 21.45,19.31 21.69,19.31 21.78,19.22 23.2,19.22 23.33,19.22 24.77,17.78 25.4,17.78 27.18,19.56 R22.1 R23.1
N61081: length 7.5
  TOP w0.203: R35.1 34.3,16.62 34.47,16.45 J3.8
N1419919: length 5.7
  TOP w0.203: R12.1 42.16,47.86 40.83,46.53 40.83,46.35 40.54,46.06 U2.20

## Copper pours and planes (outline as drawn; the poured copper is in the pictures)
GND on TOP: 0.76,55.12 72.9,55.12 72.9,0.76 13.84,0.76 13.84,10.03 13.81,10.18 13.73,10.3 10.3,13.73 10.18,13.81 10.03,13.84 0.76,13.84
GND_EARTH on TOP, BOTTOM: 0.76,13.08 9.88,13.08 13.08,9.88 13.08,0.76 0.76,0.76
VCCD_3.3V on BOTTOM: 0.76,55.12 72.9,55.12 72.9,0.76 13.84,0.76 13.84,10.03 13.81,10.18 13.73,10.3 10.3,13.73 10.18,13.81 10.03,13.84 0.76,13.84

Small or netless copper shapes (teardrops, artwork), in the pictures only: 333 on TOP, 74 on BOTTOM

## Text on the board
DEVICE_TYPE_BOTTOM: 01_POEICPT1_R1_LAYER_TOP
TEXT_BOTTOM: 02_POEICPT1_R1_LAYER_BOTTOM
User.5: 03_POEICPT1_R1_LAYER_SOLDERMASK_TOP
User.6: 04_POEICPT1_R1_LAYER_SOLDERMASK_BOTTOM
User.7: 05_POEICPT1_R1_LAYER_PASTEMASK_TOP
User.8: 06_POEICPT1_R1_LAYER_PASTEMASK_BOTTOM
User.9: 07_POEICPT1_R1_LAYER_SILKSCREEN_TOP
User.10: 08_POEICPT1_R1_LAYER_SILKSCREEN_BOTTOM
User.11: 09_POEICPT1_R1_LAYER_VIA_FILLING
User.13: 10_POEICPT1_R1_LAYER_DRAWING
